# Altium PCB HIVE_BOARD_PCB ASCII REV Project_PCB_Rev.Project_SCH_Rev.PcbDoc (part 2 of 9)
Units mil, origin at the board's own origin, x right, y up, seen from the top; angles counter-clockwise.
Board outline 4330.71 x 4330.71 mil, 8 copper layers (Top, GND_1, Signal_1, GND_2, PWR, Signal_2, GND_3, Bottom), stack 62.994 mil thick; 660 components, 468 nets, 2497 pads, 1806 vias.
Unrouted connection lines stored in the file: 30.
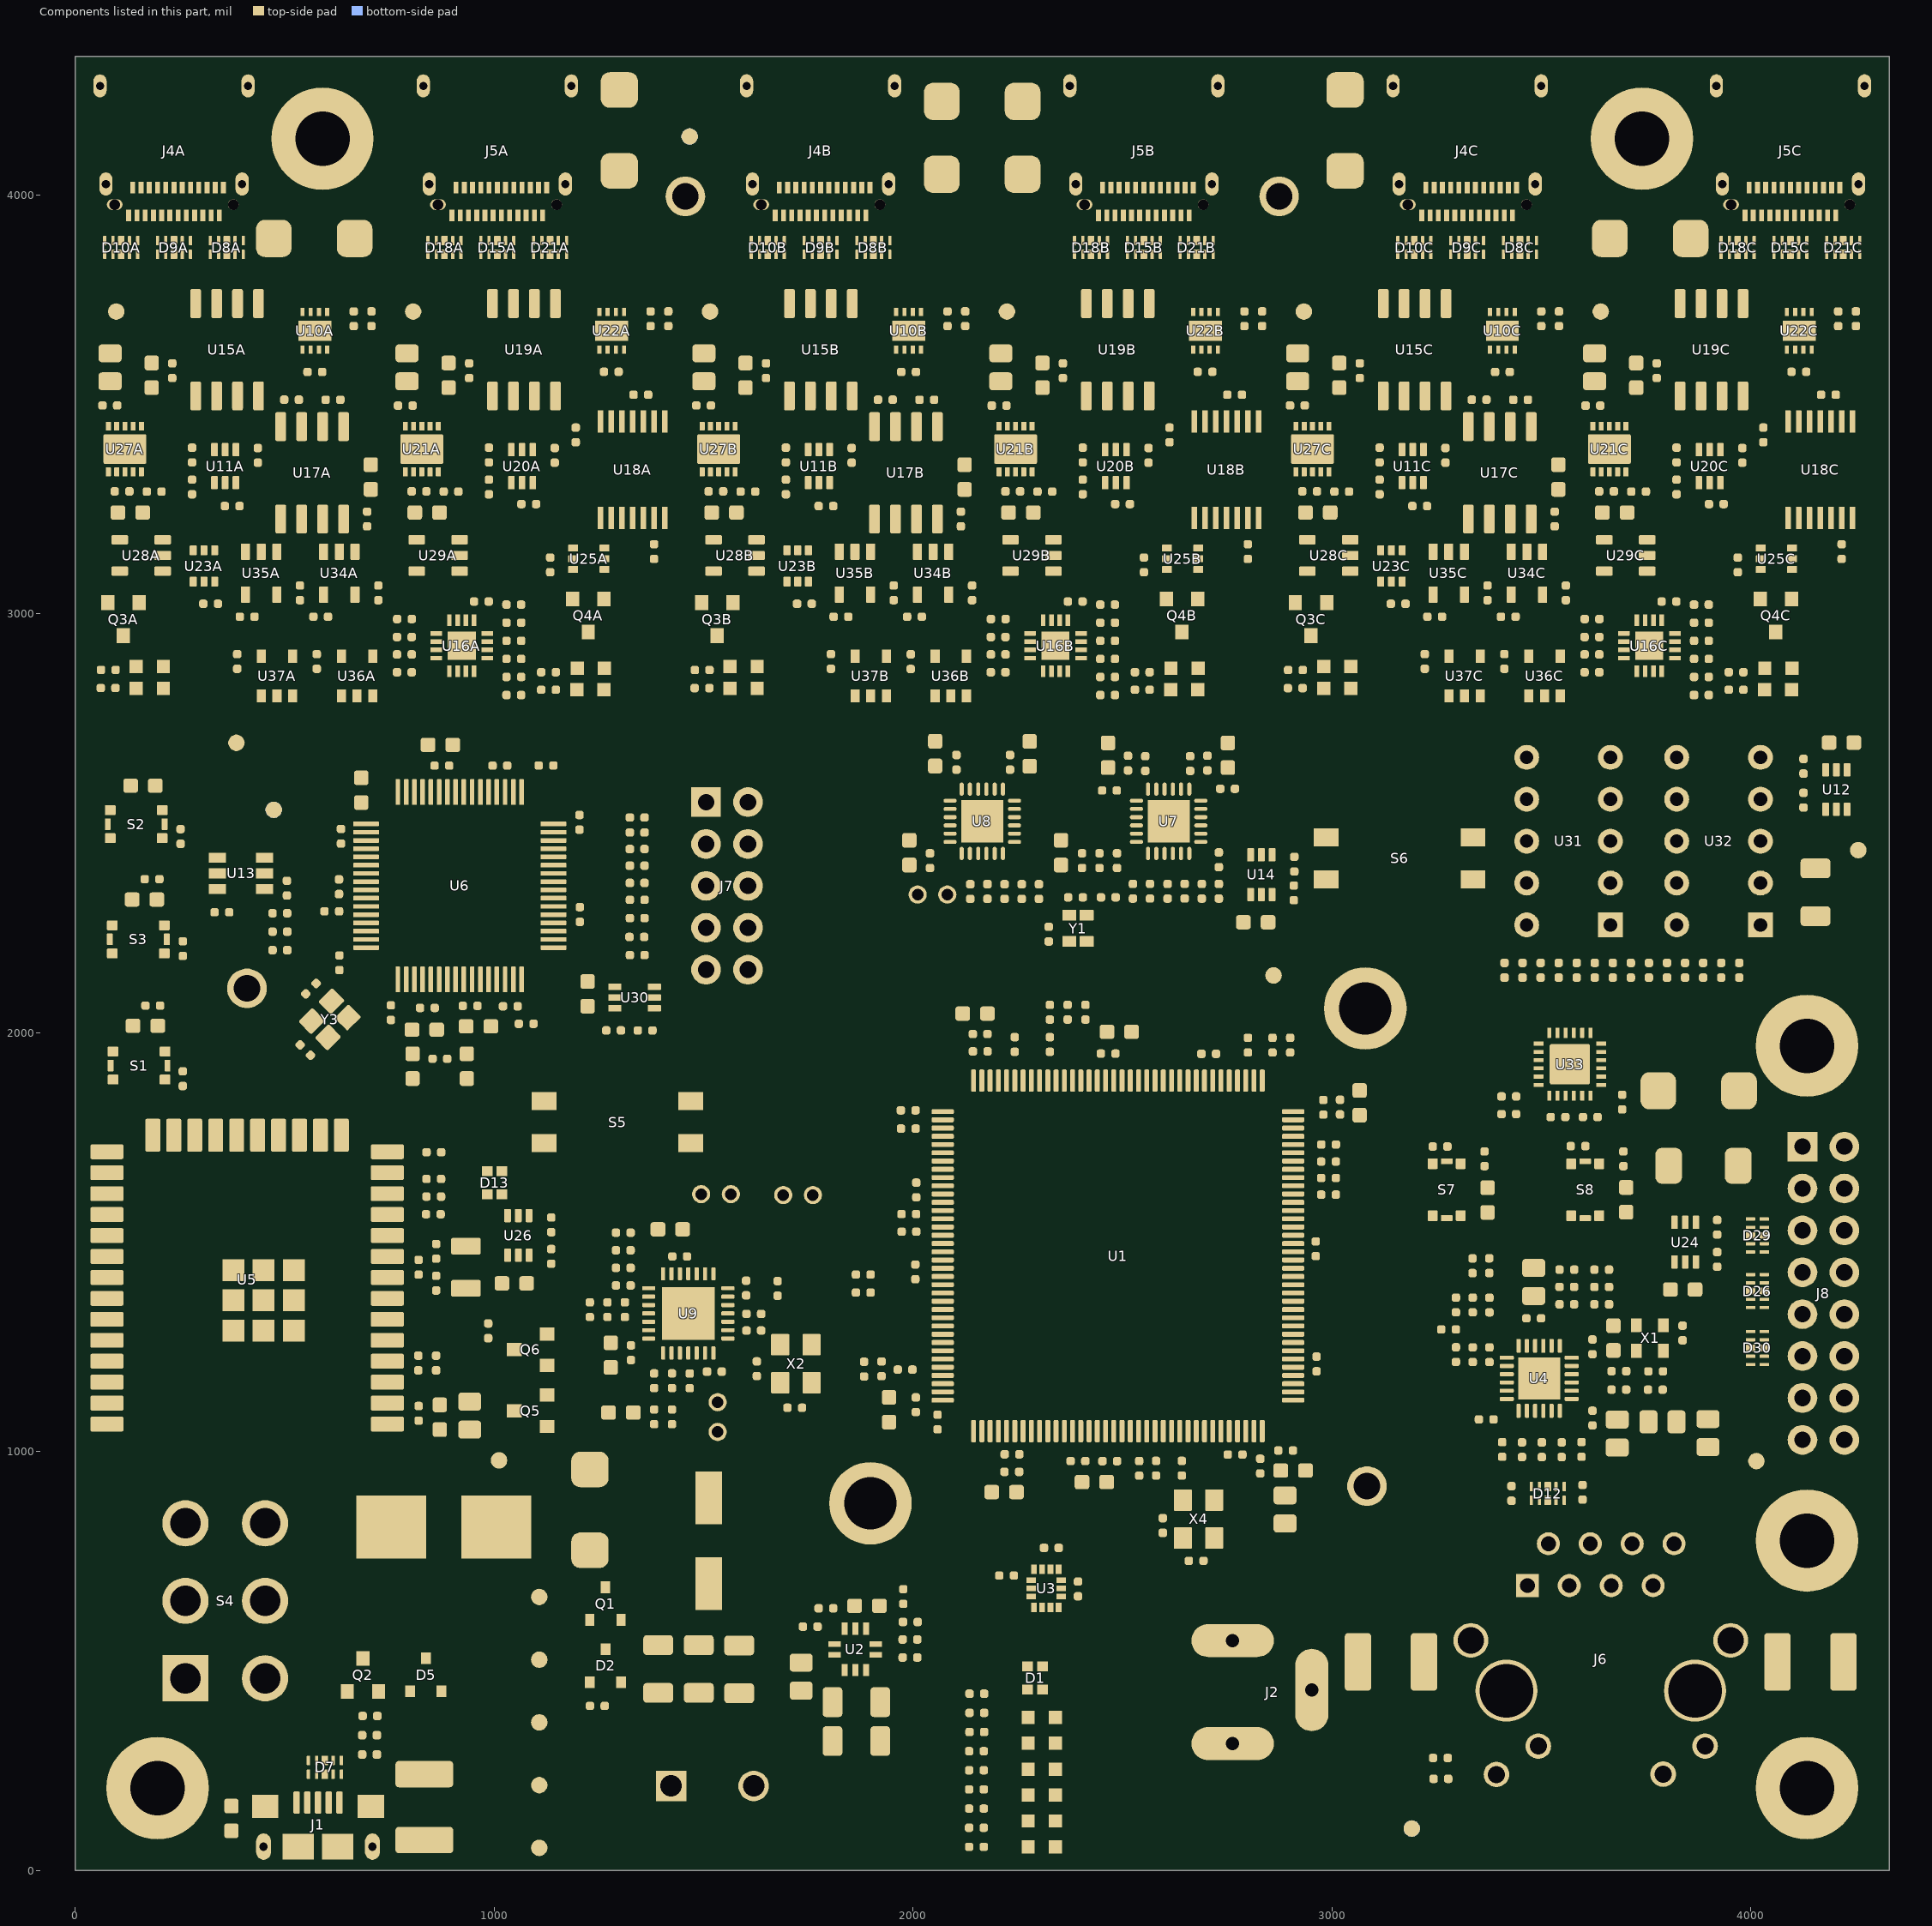
[diagram p8: the components of this part, seen from the top]

## Components (designator, comment, footprint, x,y, rotation, side; value= is the part's Value field where it differs from the comment) (continued)
D16A "SMBJ5.0CA" TVS_PWR_SMBJ5.0CA 1299.21,4153.54 r90 top locked (schematic designator D16)
D16B "SMBJ5.0CA" TVS_PWR_SMBJ5.0CA 2165.3,4222.6 r180 top locked (schematic designator D16)
D16C "SMBJ5.0CA" TVS_PWR_SMBJ5.0CA 3759.84,3895.67 r180 top locked (schematic designator D16)
D17A "SML-D12P8WT86" LED_SML-D12P8WT86 178.35,2874 r180 top (schematic designator D17)
D17B "SML-D12P8WT86" LED_SML-D12P8WT86 1595.68,2874 r180 top (schematic designator D17)
D17C "SML-D12P8WT86" LED_SML-D12P8WT86 3013,2874 r180 top (schematic designator D17)
D18A "DT1140-04LP-7" TVS_DATA_DT1140-04LP-7 881.89,3874.02 r270 top (schematic designator D18)
D18B "DT1140-04LP-7" TVS_DATA_DT1140-04LP-7 2425.2,3874.02 r270 top (schematic designator D18)
D18C "DT1140-04LP-7" TVS_DATA_DT1140-04LP-7 3968.5,3874.02 r270 top (schematic designator D18)
D19A "SML-D12P8WT86" LED_SML-D12P8WT86 1231,2870 r180 top (schematic designator D19)
D19B "SML-D12P8WT86" LED_SML-D12P8WT86 2648.32,2870 r180 top (schematic designator D19)
D19C "SML-D12P8WT86" LED_SML-D12P8WT86 4065.65,2870 r180 top (schematic designator D19)
D20A "SML-D12U8WT86" LED_SML-D12U8WT86 1230.23,2818.46 r180 top (schematic designator D20)
D20B "SML-D12U8WT86" LED_SML-D12U8WT86 2647.55,2818.46 r180 top (schematic designator D20)
D20C "SML-D12U8WT86" LED_SML-D12U8WT86 4064.87,2818.46 r180 top (schematic designator D20)
D21A "DT1140-04LP-7" TVS_DATA_DT1140-04LP-7 1133.86,3874.02 r270 top (schematic designator D21)
D21B "DT1140-04LP-7" TVS_DATA_DT1140-04LP-7 2677.17,3874.02 r270 top (schematic designator D21)
D21C "DT1140-04LP-7" TVS_DATA_DT1140-04LP-7 4220.47,3874.02 r270 top (schematic designator D21)
D22 "SML-D12P8WT86" LED_SML-D12P8WT86 2307.39,303.88 r180 top
D23 "SML-D12P8WT86" LED_SML-D12P8WT86 2307.39,242.04 r180 top
D24 "SML-D12P8WT86" LED_SML-D12P8WT86 2307.39,180.2 r180 top
D25 "SML-D12P8WT86" LED_SML-D12P8WT86 2307.53,365.72 r180 top
D26 "DT1140-04LP-7" TVS_DATA_DT1140-04LP-7 4015.75,1383.13 r0 top
D27 "SMBJ5.0CA" TVS_PWR_SMBJ5.0CA 3875.42,1861.26 r180 top
D28 "SMLVT3V3" TVS_POW_SMLVT3V3 3886.82,1682.21 r180 top
D29 "DT1140-04LP-7" TVS_DATA_DT1140-04LP-7 4015.75,1515.75 r0 top
D30 "DT1140-04LP-7" TVS_DATA_DT1140-04LP-7 4015.75,1247.22 r0 top
F1 "0154005.DR" FUS_0154XXX.DR 880,820 r0 top
FID1 "FID 1MM" FID_CIRCLE_1MM 3190.72,100.23 r0 top
FID2 "FID 1MM" FID_CIRCLE_1MM 474.34,2531.84 r0 top
FID3 "FID 1MM" FID_CIRCLE_1MM 1467,4139 r0 top
HS1 "ATS-CPX025025015-138-C2-R0" THE_HS_ATS-CPX025025015-138-C2-R0 2489.22,1467.1 r0 top locked
J1 "10118193-0001LF" CON_USB_10118194-0001LF 579.92,57 r0 top
J2 "54-00166" CON_PWR_PJ-002A 2763,302.94 r270 top
J3 "1935161" "CON_ 1935161" 1422.91,201.83 r0 top
J4A "12401598E4#2A" CON_USB_3.2_TypeC_12401598E4#2A 236.21,3976.37 r180 top locked (schematic designator J4)
J4B "12401598E4#2A" CON_USB_3.2_TypeC_12401598E4#2A 1779.52,3976.38 r180 top locked (schematic designator J4)
J4C "12401598E4#2A" CON_USB_3.2_TypeC_12401598E4#2A 3322.83,3976.37 r180 top locked (schematic designator J4)
J5A "12401598E4#2A" CON_USB_3.2_TypeC_12401598E4#2A 1007.87,3976.37 r180 top locked (schematic designator J5)
J5B "12401598E4#2A" CON_USB_3.2_TypeC_12401598E4#2A 2551.18,3976.38 r180 top locked (schematic designator J5)
J5C "12401598E4#2A" CON_USB_3.2_TypeC_12401598E4#2A 4094.49,3976.37 r180 top locked (schematic designator J5)
J6 "J1B1211CCD" CON_ETH_J1B1211CCD_WIZ 3491.72,530.86 r0 top
J7 "PREC005DAAN-RC" CON_HDR_PREC009DAAN-RC 1556.25,2350.27 r0 top
J8 "PREC008DAAN-RC" CON_HDR_PREC008DAAN-RC 4173.23,1377.95 r0 top
J10 "SNT-100-BK-T-H" CON_JMP_SNT-100-BK-T-H 1556.25,2450.27 r180 top
J12 "SNT-100-BK-T-H" CON_JMP_SNT-100-BK-T-H 1556.25,2150.27 r180 top
J13 "SNT-100-BK-T-H" CON_JMP_SNT-100-BK-T-H 1556.25,2250.27 r180 top
J15 "SNT-100-BK-T-H" CON_JMP_SNT-100-BK-T-H 1556.25,2550.27 r180 top
J17 "SNT-100-BK-T-H" CON_JMP_SNT-100-BK-T-H 1556.25,2350.27 r180 top
L1 "MMZ2012Y202BT000" FER_0805 2888.21,861.9 r90 top
L3 "MMZ2012Y202BT000" FER_0805 3789,1071 r180 top
L4 "BLM18HE152SN1D" FER_0603 805.67,1919.95 r90 top
L6 "BLM18HE152SN1D" FER_0603 935.18,1919.95 r90 top
MTH1 "M3" MTH_M3 196.85,196.85 r0 top
MTH2 "M3" MTH_M3 4133.86,196.85 r0 top
MTH3 "M3" MTH_M3 590.55,4133.86 r0 top locked
MTH4 "M3" MTH_M3 3740.16,4133.86 r0 top locked
MTH5 "M3" MTH_M3 4133.86,787.4 r0 top
MTH6 "M3" MTH_M3 4133.86,1968.5 r0 top
Q1 "SI2369DS-T1-GE3" TRX_PMOS_SI2369DS-T1-GE3 1266,637 r90 top
Q2 "BSS138LT1G" TRX_NMOS_BSS138LT1G 687.19,466.97 r90 top
Q3A "BSS138LT1G" TRX_NMOS_BSS138LT1G 115.47,2987 r270 top (schematic designator Q3)
Q3B "BSS138LT1G" TRX_NMOS_BSS138LT1G 1532.79,2987 r270 top (schematic designator Q3)
Q3C "BSS138LT1G" TRX_NMOS_BSS138LT1G 2950.12,2987 r270 top (schematic designator Q3)
Q4A "BSS138LT1G" TRX_NMOS_BSS138LT1G 1224.9,2995.7 r270 top (schematic designator Q4)
Q4B "BSS138LT1G" TRX_NMOS_BSS138LT1G 2642.22,2995.7 r270 top (schematic designator Q4)
Q4C "BSS138LT1G" TRX_NMOS_BSS138LT1G 4059.54,2995.7 r270 top (schematic designator Q4)
Q5 "BSS138LT1G" TRX_NMOS_BSS138LT1G 1087.53,1097.36 r180 top
Q6 "BSS138LT1G" TRX_NMOS_BSS138LT1G 1087.53,1243.26 r180 top
R1 "ERJ-2RKF4750X" RES_0402 2152.53,330.68 r180 top
R2 "ERJ-2RKF4750X" RES_0402 2152.53,376.38 r180 top
R3 "RC0402FR-071KL" RES_0402 2152.53,422.08 r180 top
R4 "RC0402FR-0710KL" RES_0402 1424.85,1169.15 r90 top
R5 "ERJ-2RKF4750X" RES_0402 2151.59,239.29 r0 top
R6 "RC0402FR-0710KL" RES_0402 1228.92,1338.68 r270 top
R7 "RC0402FR-0710KL" RES_0402 1424.86,1082.98 r90 top
R8 "RC0402FR-071KL" RES_0402 183.83,2366.33 r0 top
R9 "RC0402FR-07150RL" RES_0402 257.29,2200.47 r270 top
R10 "RC0402FR-0710KL" RES_0402 704,369 r0 top
R11 "RC0402FR-071KL" RES_0402 2151.59,56.5 r0 top
R12 "RC0402FR-071KL" RES_0402 1246.65,392.92 r0 top
R13 "RC0402FR-0710KL" RES_0402 703,323 r0 top
R14 "RC0402FR-0710KL" RES_0402 703,277 r180 top
R15 "RC0402FR-0747KL" RES_0402 1992.93,551.48 r0 top
R16 "RC0402FR-0710KL" RES_0402 1308.56,1480.59 r180 top
R17 "RC0402FR-0710KL" RES_0402 1308.64,1522.59 r0 top
R18 "RMCF0402FT10R0" RES_0402 3560.94,1434.31 r0 top
R19 "RMCF0402FT10R0" RES_0402 3644.01,1434.31 r180 top
R20 "RC0402FR-0710KL" RES_0402 1382.25,1082.9 r270 top
R21 "RC0402FR-0710KL" RES_0402 1754.85,582.15 r180 top
R22 "RC0402FR-071KL" RES_0402 1992.93,508.47 r180 top
R23 "ERJ-2RKF4750X" RES_0402 2151.59,193.59 r0 top
R24 "RC0402FR-0710KL" RES_0402 1792.26,625.98 r0 top
R25 "ERJ-2RKF4750X" RES_0402 2151.51,102.2 r180 top
R26 "RC0402FR-0715KL" RES_0402 1976.84,654.1 r270 top
R27 "RC0402FR-071KL" RES_0402 3422.31,1847.8 r0 top
R28 "RC0402FR-071KL" RES_0402 3422.31,1805.53 r0 top
R29 "RC0402FR-0710KL" RES_0402 1717.89,1104.66 r0 top
R30 "RC0603JR-070RL" RES_0603 373.24,124.42 r270 top
R31 "RC0402FR-07100RP" RES_0402 1341.86,2185.11 r180 top
R32 "RC0402FR-07100RP" RES_0402 1340.87,2228.39 r180 top
R33 "ERJ-2RKF4750X" RES_0402 2151.59,147.89 r0 top
R34 "RC0402FR-07100KL" RES_0402 1382.24,1169.07 r270 top
R35 "RC0402FR-0710KL" RES_0402 1308.64,1438.59 r0 top
R36 "RC0402FR-0710KL" RES_0402 1270.69,1338.68 r270 top
R37 "RC0402FR-07100RP" RES_0402 1341.87,2273.27 r180 top
R38 "RC0402FR-071KL" RES_0402 185.49,2064.51 r0 top
R39 "RC0402FR-07150RL" RES_0402 257.08,1890.13 r270 top
R40 "ERJ-2RKF4750X" RES_0402 856.19,1650.7 r180 top
R41 "RC0402FR-0749R9L" RES_0402 3453.78,1004.58 r270 top
R42 "RC0402FR-0749R9L" RES_0402 3406.43,1005.02 r270 top
R43 "RC0402FR-0749R9L" RES_0402 3548.5,1004.58 r270 top
R44 "RC0402FR-0749R9L" RES_0402 3501.14,1004.58 r270 top
R45 "RC0402FR-071K5L" RES_0402 3278.45,1291.65 r180 top
R46 "ERJ-2RKF4750X" RES_0402 855.18,1566.63 r180 top
R47 "RMCF0402FT10R0" RES_0402 3296.12,1349.98 r90 top
R48 "RMCF0402FT10R0" RES_0402 3296.12,1231.57 r90 top
R49 "RC0402FR-07270RL" FER_0402 3259,268.67 r0 top
R50 "RC0402FR-0712K1L" RES_0402 3595.86,1005.1 r90 top
R51 "RC0402FR-07270RL" FER_0402 3260.23,218.91 r0 top
R52 "RC0402FR-0712KL" RES_0402 1677,1389.46 r270 top
R53 "RC0402FR-0710KL" RES_0402 3560.78,1351.58 r0 top
R54 "RC0402FR-07100RP" RES_0402 1341.87,2316.97 r180 top
R55 "RC0402FR-07100RP" RES_0402 1341.73,2398.49 r180 top
R56 "RC0402FR-07100RP" RES_0402 1341.73,2438.31 r180 top
R57 "RC0402FR-07100RP" RES_0402 1341.73,2477.69 r180 top
R58 "RC0402FR-0710KL" RES_0402 3644.16,1351.58 r180 top
R59 "RC0402FR-0710KL" RES_0402 856.38,1714.42 r180 top
R60 "RC0402FR-0710KL" RES_0402 3336.09,1349.98 r90 top
R61 "RC0402FR-0710KL" RES_0402 3836.92,1283.07 r90 top
R62 "RC0402FR-07100RP" RES_0402 1341.73,2513.49 r180 top
R63 "RC0402FR-071KL" RES_0402 856.19,1608.67 r180 top
R64 "RC0402FR-0710KL" RES_0402 2675.95,739.23 r0 top
R65 "RC0402FR-0710KL" RES_0402 612.79,2289.57 r180 top
R66 "RC0402FR-0710KL" RES_0402 1076.79,2021.11 r180 top
R67 "RC0402FR-0710KL" RES_0402 488.9,2285.05 r180 top
R68 "RC0402FR-0710KL" RES_0402 489,2241.03 r0 top
R69 "RC0402FR-0710KL" RES_0402 489,2197 r0 top
R70 "RC0402FR-071ML" RES_0402 753.91,2047.81 r90 top
R71 "RC0402FR-07150RL" RES_0402 251.84,2468.27 r270 top
R72 "RC0402FR-072K2L" RES_0402 505.67,2344.9 r270 top
R73 "RC0402FR-0710KL" RES_0402 3336.09,1231.32 r90 top
R74 "RC0402FR-0712KL" RES_0402 870.83,1937.68 r0 top
R75 "RC0402FR-0710KL" RES_0402 3685,1148 r180 top
R76 "RC0402FR-0710KL" RES_0402 3772.01,1147.78 r0 top
R77A "ERJ-2RKF4750X" RES_0402 79.38,2865.87 r180 top (schematic designator R77)
R77B "ERJ-2RKF4750X" RES_0402 1496.93,2865.58 r180 top (schematic designator R77)
R77C "ERJ-2RKF4750X" RES_0402 2912.97,2865.54 r180 top (schematic designator R77)
R78 "RC0402FR-0710KL" RES_0402 3375.49,1443.81 r270 top
R79 "RC0402FR-07100RP" RES_0402 1341.73,2357.44 r180 top
R80 "RC0402FR-071KL" RES_0402 2607.79,2337.5 r270 top
R81 "RC0402FR-071KL" RES_0402 2525,2337.5 r270 top
R82 "RC0402FR-0733RL" RES_0402 2387.99,2322.95 r180 top
R83 "RC0402FR-071KL" RES_0402 2648.59,2337.58 r90 top
R84 "RC0402FR-071KL" RES_0402 2565.8,2337.58 r90 top
R85 "RC0402FR-071KL" RES_0402 2689.39,2337.5 r270 top
R86 "RC0402FR-071KL" RES_0402 2730.19,2337.5 r270 top
R87 "RC0402FR-071KL" RES_0402 2136.79,2336.9 r270 top
R88 "RC0402FR-071KL" RES_0402 2177.77,2336.98 r90 top
R89 "RC0402FR-071KL" RES_0402 2218.74,2336.9 r270 top
R90 "RC0402FR-071KL" RES_0402 2259.72,2336.9 r270 top
R91 "RC0402FR-0710KL" RES_0402 861.77,1211.44 r90 top
R92 "RC0402FR-0710KL" RES_0402 986.28,1288.27 r270 top
R93A "RC0402FR-0710KL" RES_0402 279.32,3302.52 r90 top (schematic designator R93)
R93B "RC0402FR-0710KL" RES_0402 1696.65,3302.52 r90 top (schematic designator R93)
R93C "RC0402FR-0710KL" RES_0402 3113.97,3302.52 r90 top (schematic designator R93)
R94A "RC0402FR-07100RP" RES_0402 572.34,3577 r0 top (schematic designator R94)
R94B "RC0402FR-07100RP" RES_0402 1989.66,3577 r0 top (schematic designator R94)
R94C "RC0402FR-07100RP" RES_0402 3406.98,3577 r0 top (schematic designator R94)
R95A "RC0402FR-07100KL" RES_0402 436.3,3377.98 r90 top (schematic designator R95)
R95B "RC0402FR-07100KL" RES_0402 1853.62,3377.98 r90 top (schematic designator R95)
R95C "RC0402FR-07100KL" RES_0402 3270.94,3377.98 r90 top (schematic designator R95)
R96 "RC0402FR-0710KL" RES_0402 4125.61,2635.86 r90 top
R97A "RC0402FR-07100KL" RES_0402 279.32,3378.76 r270 top (schematic designator R97)
R97B "RC0402FR-07100KL" RES_0402 1696.64,3378.76 r270 top (schematic designator R97)
R97C "RC0402FR-07100KL" RES_0402 3113.96,3378.76 r270 top (schematic designator R97)
R98 "RC0402FR-0710KL" RES_0402 2909.13,2333.55 r270 top
R99A "RC0402FR-07100KL" RES_0402 1382.08,3148.25 r90 top (schematic designator R99)
R99B "RC0402FR-07100KL" RES_0402 2799.4,3148.25 r90 top (schematic designator R99)
R99C "RC0402FR-07100KL" RES_0402 4216.73,3148.25 r90 top (schematic designator R99)
R100A "RC0402FR-07100KL" RES_0402 786.11,2902.87 r0 top (schematic designator R100)
R100B "RC0402FR-07100KL" RES_0402 2203.43,2902.87 r0 top (schematic designator R100)
R100C "RC0402FR-07100KL" RES_0402 3620.76,2902.87 r0 top (schematic designator R100)
R101A "RC0402FR-0710KL" RES_0402 1047.35,2978.49 r0 top (schematic designator R101)
R101B "RC0402FR-0710KL" RES_0402 2464.68,2978.49 r0 top (schematic designator R101)
R101C "RC0402FR-0710KL" RES_0402 3882,2978.49 r0 top (schematic designator R101)
R102A "RC0402FR-070RL" RES_0402 1047.35,2935.32 r0 top (schematic designator R102)
R102B "RC0402FR-070RL" RES_0402 2464.68,2935.32 r0 top (schematic designator R102)
R102C "RC0402FR-070RL" RES_0402 3882,2935.32 r0 top (schematic designator R102)
R103A "RC0402FR-0784R5L" RES_0402 615.77,3510.59 r0 top (schematic designator R103)
R103B "RC0402FR-0784R5L" RES_0402 2033.09,3510.59 r0 top (schematic designator R103)
R103C "RC0402FR-0784R5L" RES_0402 3450.41,3510.59 r0 top (schematic designator R103)
R104A "RC0402FR-0784R5L" RES_0402 516.77,3510.8 r0 top (schematic designator R104)
R104B "RC0402FR-0784R5L" RES_0402 1934.09,3510.8 r0 top (schematic designator R104)
R104C "RC0402FR-0784R5L" RES_0402 3351.41,3510.8 r0 top (schematic designator R104)
R105A "RC0402FR-070RL" RES_0402 1047.35,2892.16 r0 top (schematic designator R105)
R105B "RC0402FR-070RL" RES_0402 2464.68,2892.16 r0 top (schematic designator R105)
R105C "RC0402FR-070RL" RES_0402 3882,2892.16 r0 top (schematic designator R105)
R106A "RC0402FR-07100KL" RES_0402 786.03,2860.21 r180 top (schematic designator R106)
R106B "RC0402FR-07100KL" RES_0402 2203.36,2860.21 r180 top (schematic designator R106)
R106C "RC0402FR-07100KL" RES_0402 3620.68,2860.21 r180 top (schematic designator R106)
R107A "RC0402FR-07100KL" RES_0402 786.3,2987.17 r0 top (schematic designator R107)
R107B "RC0402FR-07100KL" RES_0402 2203.62,2987.17 r0 top (schematic designator R107)
R107C "RC0402FR-07100KL" RES_0402 3620.95,2987.17 r0 top (schematic designator R107)
R108A "RC0402FR-0740K2L" RES_0402 786.03,2944.22 r0 top (schematic designator R108)
R108B "RC0402FR-0740K2L" RES_0402 2203.36,2944.22 r0 top (schematic designator R108)
R108C "RC0402FR-0740K2L" RES_0402 3620.68,2944.22 r0 top (schematic designator R108)
R109 "RC0402FR-0710KL" RES_0402 3919.67,1458.8 r90 top
R110A "ERJ-2RKF4750X" RES_0402 1130.07,2860.29 r180 top (schematic designator R110)
R110B "ERJ-2RKF4750X" RES_0402 2547.39,2860.29 r180 top (schematic designator R110)
R110C "ERJ-2RKF4750X" RES_0402 3964.71,2860.29 r180 top (schematic designator R110)
R111A "RC0402FR-0710KL" RES_0402 1047.35,2849 r0 top (schematic designator R111)
R111B "RC0402FR-0710KL" RES_0402 2464.68,2849 r0 top (schematic designator R111)
R111C "RC0402FR-0710KL" RES_0402 3882,2849 r0 top (schematic designator R111)
R112A "RC0402FR-0710KL" RES_0402 987.99,3302.52 r90 top (schematic designator R112)
R112B "RC0402FR-0710KL" RES_0402 2405.31,3302.52 r90 top (schematic designator R112)
R112C "RC0402FR-0710KL" RES_0402 3822.63,3302.52 r90 top (schematic designator R112)
R113A "RC0402FR-0710KL" RES_0402 1047.28,2805.84 r180 top (schematic designator R113)
R113B "RC0402FR-0710KL" RES_0402 2464.6,2805.84 r180 top (schematic designator R113)
R113C "RC0402FR-0710KL" RES_0402 3881.92,2805.84 r180 top (schematic designator R113)
R114 "RC0402FR-0710KL" RES_0402 3364.26,1698.84 r90 top
R115A "ERJ-2RKF4750X" RES_0402 78.85,2822.71 r180 top (schematic designator R115)
R115B "ERJ-2RKF4750X" RES_0402 1496.4,2822.42 r180 top (schematic designator R115)
R115C "ERJ-2RKF4750X" RES_0402 2912.44,2822.37 r180 top (schematic designator R115)
R116 "RC0402FR-0710KL" RES_0402 1881.34,1379.64 r0 top
R117A "RC0402FR-07100KL" RES_0402 1144.96,3377.98 r90 top (schematic designator R117)
R117B "RC0402FR-07100KL" RES_0402 2562.28,3377.98 r90 top (schematic designator R117)
R117C "RC0402FR-07100KL" RES_0402 3979.61,3377.98 r90 top (schematic designator R117)
R118A "RC0402FR-07100KL" RES_0402 987.98,3378.76 r270 top (schematic designator R118)
R118B "RC0402FR-07100KL" RES_0402 2405.3,3378.76 r270 top (schematic designator R118)
R118C "RC0402FR-07100KL" RES_0402 3822.62,3378.76 r270 top (schematic designator R118)
R119A "RC0402FR-07100KL" RES_0402 1350.51,3522.73 r180 top (schematic designator R119)
R119B "RC0402FR-07100KL" RES_0402 2767.84,3522.73 r180 top (schematic designator R119)
R119C "RC0402FR-07100KL" RES_0402 4185.16,3522.73 r180 top (schematic designator R119)
R120 "RC0402FR-0710KL" RES_0402 1136.54,1465.9 r270 top
R121 "RC0402FR-0710KL" RES_0402 3695.73,1698.78 r90 top
R122 "RC0402FR-0710KL" RES_0402 1881.34,1422.63 r180 top
R123A "ERJ-2RKF4750X" RES_0402 1130.07,2818.46 r180 top (schematic designator R123)
R123B "ERJ-2RKF4750X" RES_0402 2547.39,2818.46 r180 top (schematic designator R123)
R123C "ERJ-2RKF4750X" RES_0402 3964.71,2818.46 r180 top (schematic designator R123)
R124A "RC0402FR-0710KL" RES_0402 1047.28,3021.65 r180 top (schematic designator R124)
R124B "RC0402FR-0710KL" RES_0402 2464.6,3021.65 r180 top (schematic designator R124)
R124C "RC0402FR-0710KL" RES_0402 3881.92,3021.65 r180 top (schematic designator R124)
R125 "RC0402FR-0710KL" RES_0402 1285.43,2005.33 r180 top
R126 "RC0402FR-0710KL" RES_0402 1124.21,2637.61 r0 top
R127A "RC0402FR-0710KL" RES_0402 897.46,3291.48 r0 top (schematic designator R127)
R127B "RC0402FR-0710KL" RES_0402 2314.78,3291.48 r0 top (schematic designator R127)
R127C "RC0402FR-0710KL" RES_0402 3732.1,3291.48 r0 top (schematic designator R127)
R128A "RC0402FR-07100RP" RES_0402 1279.92,3577.37 r0 top (schematic designator R128)
R128B "RC0402FR-07100RP" RES_0402 2697.24,3577.37 r0 top (schematic designator R128)
R128C "RC0402FR-07100RP" RES_0402 4114.56,3577.37 r0 top (schematic designator R128)
R129 "ERJ-2RKF4750X" RES_0402 2151.59,284.99 r0 top
R130 "RC0402FR-0747RL" RES_0402 2828.91,965.37 r90 top
R131 "RC0402FR-0710KL" RES_0402 2223.44,704.15 r0 top
R132 "RC0402FR-071ML" RES_0402 820.01,1440.03 r270 top
R133A "RC0402FR-0710KL" RES_0402 188.8,3291.48 r0 top (schematic designator R133)
R133B "RC0402FR-0710KL" RES_0402 1606.12,3291.48 r0 top (schematic designator R133)
R133C "RC0402FR-0710KL" RES_0402 3023.44,3291.48 r0 top (schematic designator R133)
R134 "RC0402FR-0710KL" RES_0402 3616.7,1798.47 r0 top
R135 "RC0402FR-07150RL" RES_0402 3498.18,2148.9 r90 top
R136 "RC0402FR-07150RL" RES_0402 3799.9,2148.9 r90 top
R137 "RC0402FR-07150RL" RES_0402 3455.08,2148.9 r90 top
R138 "RC0402FR-07150RL" RES_0402 3756.8,2148.9 r90 top
R139 "RC0402FR-07150RL" RES_0402 3411.97,2148.9 r90 top
R140 "RC0402FR-07150RL" RES_0402 3713.69,2148.9 r90 top
R141 "RC0402FR-07150RL" RES_0402 3541.28,2148.9 r90 top
R142 "RC0402FR-07150RL" RES_0402 3843,2148.9 r90 top
R143 "RC0402FR-07150RL" RES_0402 3584.39,2148.9 r90 top
R144 "RC0402FR-07150RL" RES_0402 3886.11,2148.9 r90 top
R145 "RC0402FR-07150RL" RES_0402 3670.59,2148.9 r90 top
R146 "RC0402FR-07150RL" RES_0402 3972.31,2148.9 r90 top
R147 "RC0402FR-07150RL" RES_0402 3627.49,2148.9 r90 top
R148 "RC0402FR-07150RL" RES_0402 3929.21,2148.9 r90 top
R149 "RC0402FR-07150RL" RES_0402 3258.22,1728.24 r180 top
R150 "RC0402FR-07150RL" RES_0402 3587.55,1729.21 r180 top
R151A "CRCW04023R48FKED" RES_0402 83,3497 r0 top (schematic designator R151)
R151B "CRCW04023R48FKED" RES_0402 1500.32,3497 r0 top (schematic designator R151)
R151C "CRCW04023R48FKED" RES_0402 2917.65,3497 r0 top (schematic designator R151)
R152A "CRCW04023R48FKED" RES_0402 788.29,3496.72 r0 top (schematic designator R152)